# KiCad board main_VCO_board.kicad_pcb (continued)
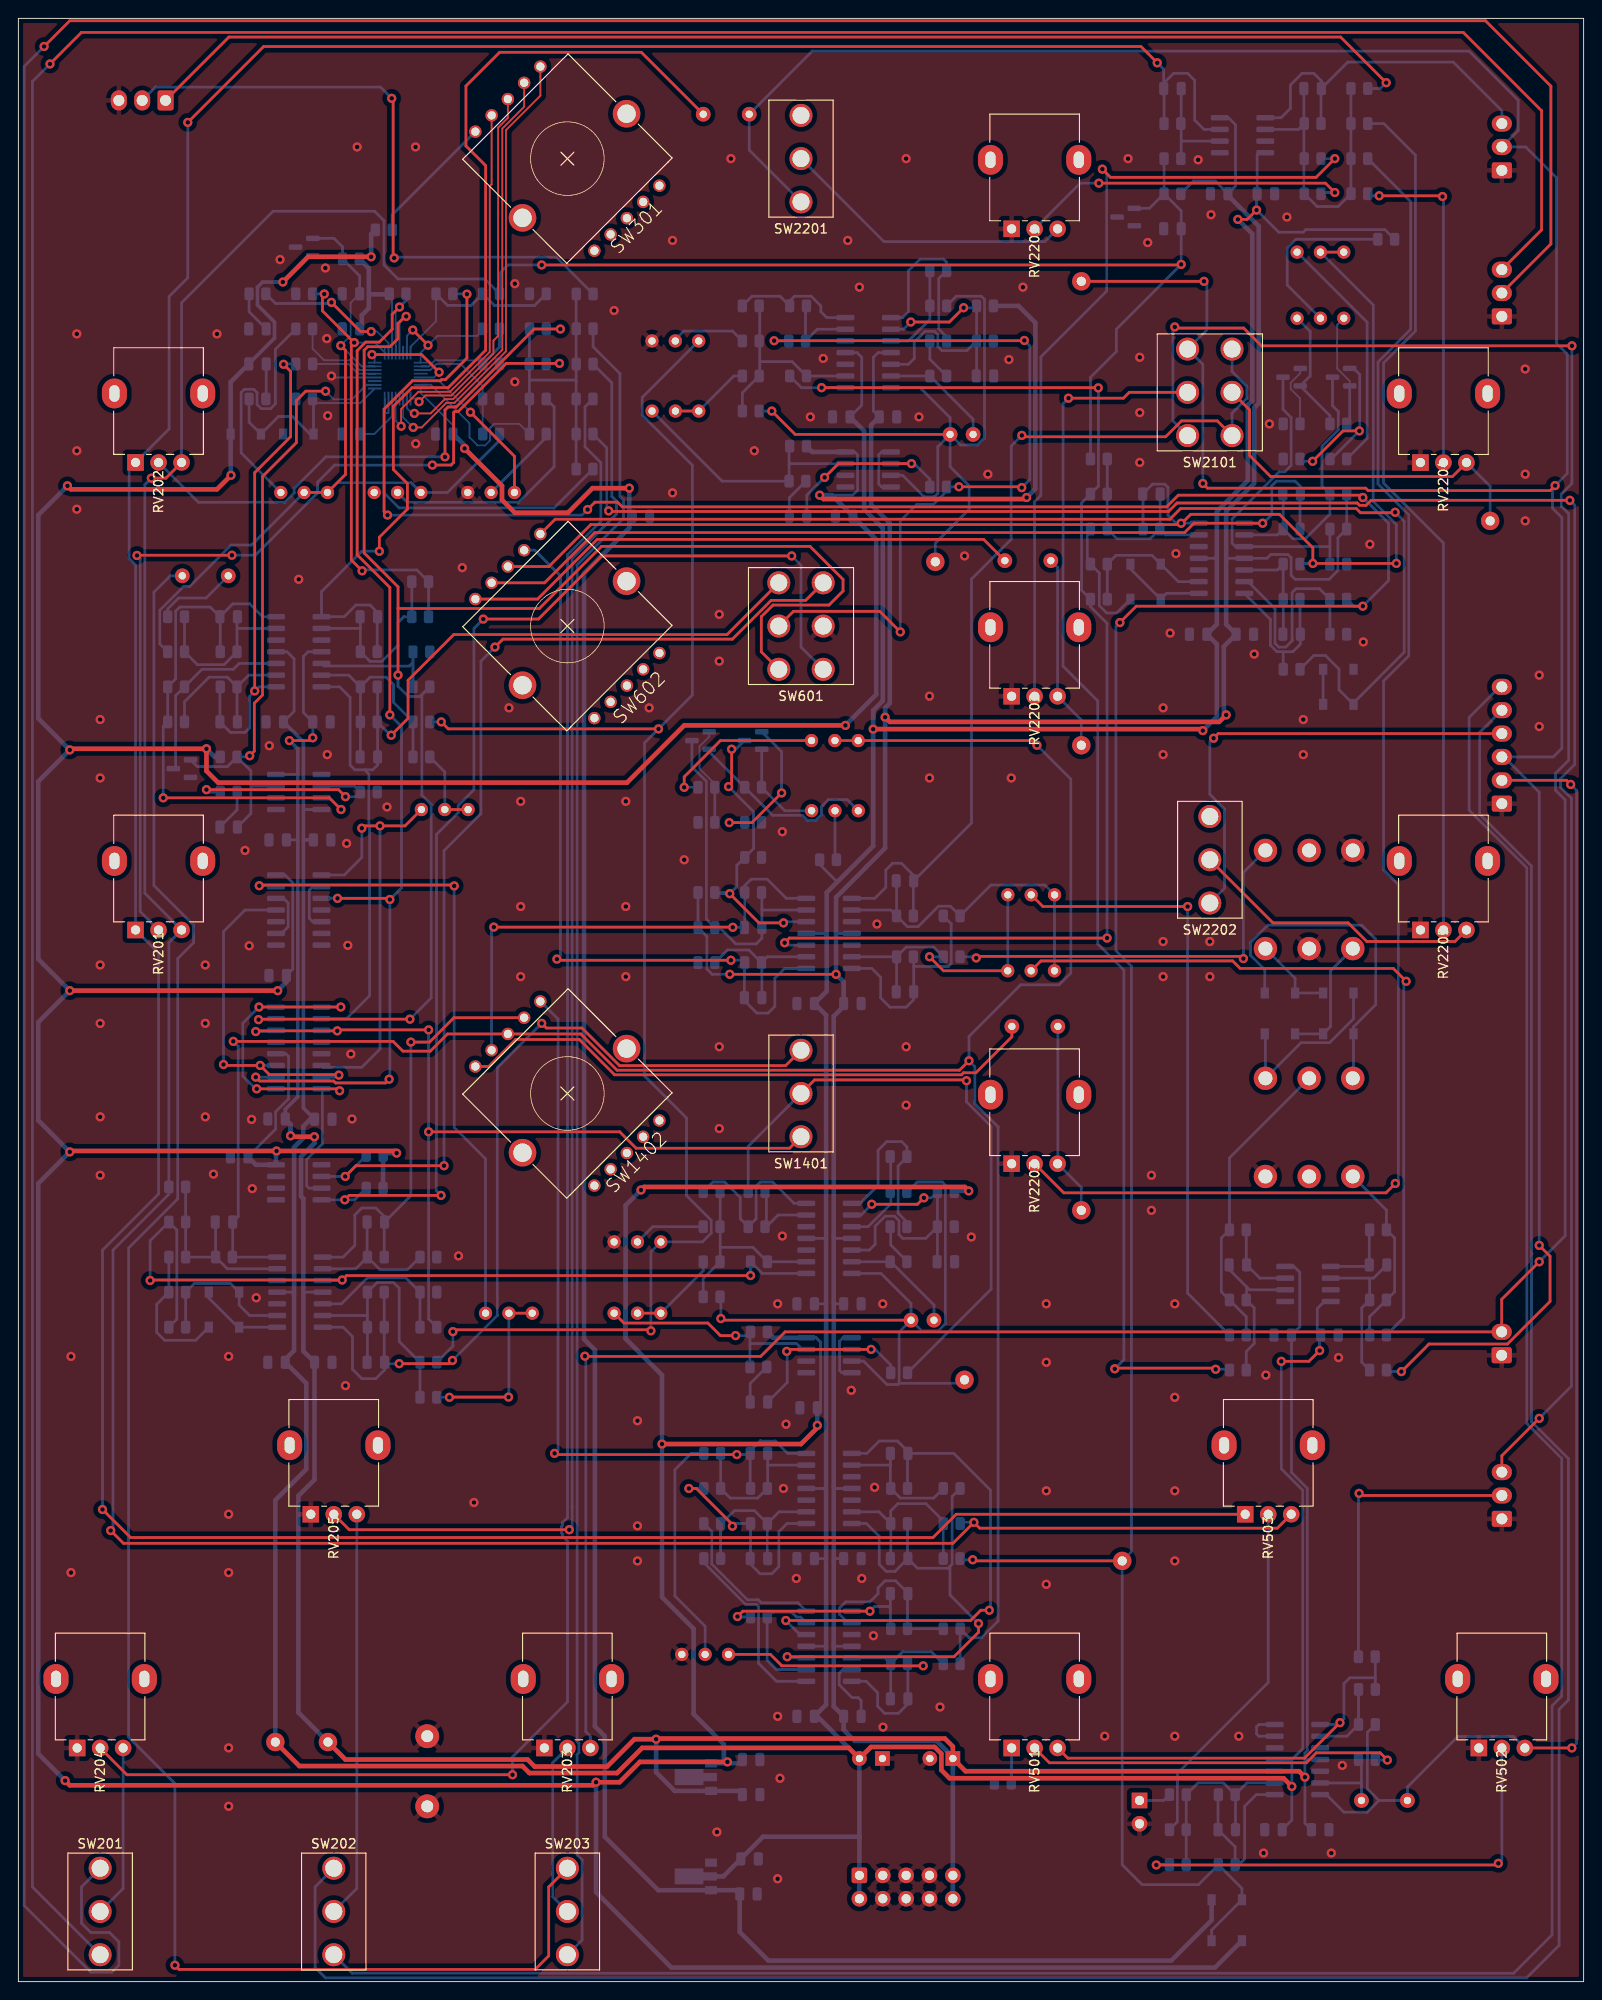
[diagram p0: board, top side]
## Routing (per net, layer and track width the routed paths; a pad name or vN(x,y) marks a point on that pad's centre or on a via; arc(x,y) is an arc through that point) (continued)
Net-(C801-Pad1): length 31.9
  Top w0.3: v1(102.77,181.91) 101.22,180.37 v1(97.03,180.37)
  Bottom w0.3: 104.14,174.5 104.18,174.54 R801.2 103.98,181.91 v1(102.77,181.91) ; U6.5 96.77,175.77 97.41,176.4 97.41,178.18 98.59,179.36 99.61,179.36 99.96,179.01 99.96,177.71 100.41,177.26 103.13,177.26 R802.1 ; U6.2 96.24,179.58 v1(97.03,180.37)
Net-(C802-Pad1): length 12.5
  Bottom w0.3: U6.6 R805.2 103.8,169.8 C802.1
Net-(C802-Pad2): length 85.1
  Top w0.3: C802.2 84.45,168.15 v1(81.91,170.69)
  Bottom w0.3: R803.2 101.97,183.17 104.69,183.17 105.04,182.82 105.04,167.76 104.28,167 102.45,167 C802.2 ; C802.2 99.96,166.81 99.96,161.73 99.61,161.38 98.46,161.38 96.14,163.7 U7.3 ; C802.2 101.3,164.64 103.38,162.56 103.38,160.02 99.69,156.34 TP801.1 ; C802.2 101.3,169.97 98.04,173.23 U6.7 ; R813.2 v1(81.91,170.69)
Net-(C803-Pad1): length 20.9
  Top w0.3: v1(97.1,164.97) 89.15,164.97 v1(87.66,163.47)
  Bottom w0.3: v1(87.66,163.47) 85.72,161.54 C803.1 ; R806.2 99.1,163.28 97.41,164.97 U7.2
Net-(C803-Pad2): length 4.6
  Bottom w0.3: C803.2 83.82,161.27 R809.1
Net-(C901-Pad1): length 15.2
  Bottom w0.3: R902.1 79.42,112.12 77.09,112.12 R901.2 ; R902.1 80.83,110.71 C901.1 ; R902.1 81.43,111.38 U14.9
Net-(C1001-Pad1): length 22.5
  Bottom w0.3: C1001.1 124.14,157.9 R1006.2 ; R1006.2 123.05,156.81 119.44,156.81 R1003.1 R1004.1 ; R1006.2 124.74,157.23 U8.13
Net-(C1101-Pad1): length 31.2
  Bottom w0.3: R1109.1 136.88,157.23 U8.2 ; R1109.1 138.57,156.81 139.92,156.81 142.6,159.49 R1103.2 141.74,162.53 141.74,166.87 143.51,168.64 143.51,170.64 142.88,171.27 Q1101.3 ; R1109.1 137.52,161.63 C1101.1
Net-(C1201-Pad1): length 12.1
  Bottom w0.3: C1201.1 137.53,146.48 137.53,150.23 R1204.1 R1201.2 136.88,153.42 U8.5
Net-(C1201-Pad2): length 17.4
  Bottom w0.3: R1204.2 139.34,146.47 C1201.2 139.38,145.35 138.56,144.53 137.56,144.53 ; U8.7 136.13,148.03 136.13,145.23 136.83,144.53 137.48,144.53 ; R1205.1 137.52,144.53
Net-(C1401-Pad1): length 64
  Top w0.3: C1401.1 108.02,102.68 104.11,98.77 102.76,98.77 102.53,98.55 64.82,98.55 60.99,102.39 54.07,102.39 51.13,99.45 SW1402.1
Net-(C1501-Pad1): length 29.5
  Bottom w0.3: 37.95,72.29 R1505.1 39,75.98 40.78,75.98 41.4,75.36 41.4,69.57 R1503.2 R1501.2 ; 37.95,72.29 37.85,72.39 U11.6 ; 37.95,72.29 37.95,67.35 C1501.1
Net-(C1601-Pad1): length 32.4
  Top w0.3: v1(98.45,85.18) 97.75,84.48 v1(92.79,84.48)
  Bottom w0.3: U12.5 92.52,79.5 93.15,80.14 93.15,82.1 94.23,83.19 95.26,83.19 95.74,82.7 95.74,81.19 96.16,80.77 98.66,80.77 R1602.1 ; v1(98.45,85.18) 99.25,85.18 R1601.2 99.93,78.27 C1601.1 ; v1(92.79,84.48) 91.62,83.31 U12.2
Net-(C1602-Pad1): length 12.5
  Bottom w0.3: U12.6 94.85,78.23 99.55,73.53 C1602.1
Net-(C1602-Pad2): length 77.9
  Top w0.3: v1(76.38,72.06) 76.56,71.88 C1602.2
  Bottom w0.3: v1(76.38,72.06) 76.38,74.33 R1613.2 ; C1602.2 98.2,70.73 100.02,70.73 100.79,71.5 100.79,86.55 100.44,86.9 97.72,86.9 96.67,85.85 ; C1602.2 97.05,73.7 93.79,76.96 U12.7 ; C1602.2 95.76,70.59 95.76,65.02 ; U13.3 91.88,67.44 94.42,64.9 95.63,64.9 95.76,65.02 ; 95.76,65.02 102.49,65.02 TP1601.1
Net-(C1603-Pad1): length 21.4
  Top w0.3: v1(83.54,68.49) 83.75,68.71 v1(92.71,68.71)
  Bottom w0.3: R1606.2 94.85,67.01 93.15,68.71 U13.2 ; C1603.1 83.59,65.12 83.59,68.44 v1(83.54,68.49)
Net-(C1603-Pad2): length 4.6
  Bottom w0.3: R1609.1 79.57,65 C1603.2
Net-(C1701-Pad1): length 16.1
  Bottom w0.3: C1701.1 37.91,78.78 R1702.1 ; R1702.1 39.32,77.37 42.29,77.37 R1701.2 ; R1702.1 36.68,77.47 U11.2
Net-(C1801-Pad1): length 21.9
  Bottom w0.3: R1806.2 21.44,82.51 C1801.1 ; R1806.2 R1803.1 R1804.1 ; R1806.2 22.71,77.47 U11.13
Net-(C1901-Pad1): length 37.3
  Bottom w0.3: Q1901.3 73.23,132.01 74.8,130.44 74.8,115.47 R1903.2 76.23,114.55 78,112.78 80.21,112.78 80.83,113.4 C1901.1 80.83,116.58 ; R1909.1 80.83,118.33 80.83,116.58 ; 80.83,116.58 80.95,116.46 U14.13
Net-(C2001-Pad1): length 15.1
  Bottom w0.3: R2003.1 94.85,30.77 C2001.1 ; R2003.1 94.21,35.18 U15.5 ; R2003.1 96.14,35.84 99.27,35.84 R2001.2
Net-(C2001-Pad2): length 36.7
  Top w0.3: v1(98.37,34.32) 83.01,34.32 81.76,35.56 RV2001.3
  Bottom w0.3: U15.7 92.18,32.64 93.42,31.39 93.42,29.92 94.18,29.16 95.68,29.16 96.71,30.19 C2001.2 96.71,34.51 R2003.2 96.9,34.32 v1(98.37,34.32)
Net-(C2002-Pad1): length 19.8
  Bottom w0.3: R2002.2 R2004.1 96.67,42.13 C2002.1 96.71,42.23 95.38,43.56 94.23,43.56 93.47,42.8 93.47,42.16 92.58,41.28 89.95,41.28 89.29,40.62 89.29,39.9 90.2,38.99 U15.2
Net-(C2002-Pad2): length 24.4
  Top w0.3: v1(78.18,39.67) 78.77,40.26 v1(92.58,40.26)
  Bottom w0.3: 94.81,40.57 94.62,40.77 93.09,40.77 v1(92.58,40.26) U15.1 ; 94.81,40.57 C2002.2 ; 94.81,40.57 94.81,38.39 R2004.2 ; v1(78.18,39.67) 78.23,39.62 R2007.1
Net-(C2003-Pad1): length 20.9
  Bottom w0.3: U16.6 93.58,51.05 R2008.1 ; C2003.1 94.85,46.01 R2008.1 ; R2008.1 94.85,51.16 95.63,51.94 98.68,51.94 100.56,50.06 R2005.2 R2006.2
Net-(C2003-Pad2): length 60.9
  Top w0.3: v1(104.39,38.91) 104.39,37.97 101.73,35.31 v1(83.59,35.31)
  Bottom w0.3: U15.10 83.72,35.18 v1(83.59,35.31) ; 101.29,45.14 101.07,44.92 97.76,44.92 C2003.2 ; 101.29,45.14 101.29,42.02 v1(104.39,38.91) ; 101.29,45.14 101.52,45.38 101.52,52.73 R2009.1 ; R2008.2 96.67,46.01 C2003.2 ; U16.7 92.2,49.78 93.6,48.39 93.6,45.34 94.36,44.58 95.31,44.58 C2003.2
Net-(C2004-Pad1): length 14.6
  Bottom w0.3: C2004.1 94.81,56.2 ; 94.81,56.2 94.81,53.63 R2010.1 95.9,52.54 99.51,52.54 R2009.2 ; 94.81,56.2 94.74,56.13 U16.2
Net-(C2004-Pad2): length 60.3
  Top w0.3: v1(83.44,39.24) 103.52,39.24 104.64,40.36 v1(105.56,40.36)
  Bottom w0.3: C2004.2 96.67,57.37 R2010.2 ; C2004.2 101.7,57.4 105.69,53.42 105.69,40.49 v1(105.56,40.36) ; C2004.2 96.71,57.62 95.58,58.75 93.6,58.75 92.25,57.4 U16.1 ; v1(83.44,39.24) 84.96,37.72 U15.12
Net-(C2005-Pad1): length 18.6
  Bottom w0.3: R2011.2 R2012.2 76.45,49.78 77.85,51.18 80.03,51.18 R2013.1 ; C2005.1 81.43,46.01 R2013.1 ; R2013.1 82.7,51.05 U16.9
Net-(C2005-Pad2): length 25.7
  Top w0.3: v1(77.63,49.49) 77.63,49.68 73.72,53.59 v1(72.9,53.59)
  Bottom w0.3: U16.8 83.57,49.78 82.68,48.9 82.68,45.09 81.91,44.32 80.64,44.32 79.57,45.4 C2005.2 79.61,46.01 R2013.2 77.92,49.78 v1(77.63,49.49) ; v1(72.9,53.59) R2015.1
Net-(C2006-Pad1): length 17.8
  Bottom w0.3: 81.47,56.07 81.47,53.63 R2016.1 80.38,52.54 77.4,52.54 R2015.2 R2014.2 ; 81.47,56.07 81.53,56.13 U16.13 ; 81.47,56.07 C2006.1
Net-(C2101-Pad1): length 17.5
  Bottom w0.3: 146.76,76.45 147.34,76.45 C2101.1 ; 146.76,76.45 U17.2 ; 146.76,76.45 146.92,76.3 R2102.1 146.05,73.22 146.05,67.32 R2101.2
Net-(C2101-Pad2): length 8.1
  Bottom w0.3: R2104.1 146.88,81.66 C2101.2 146.71,77.72 U17.1
Net-(C2102-Pad1): length 17.3
  Bottom w0.3: 133.54,75.5 131.64,77.4 C2102.1 ; 133.54,75.5 133.54,74.12 R2105.1 134.36,73.22 134.36,69.34 133.5,68.48 R2103.2 ; 133.54,75.5 133.86,75.18 U17.6
Net-(C2102-Pad2): length 8.6
  Bottom w0.3: R2106.1 133.5,77.93 C2102.2 134.97,76.45 U17.7
Net-(C2103-Pad1): length 33.5
  Top w0.3: RV2101.1 100.58,109.86 v1(99.06,111.38)
  Bottom w0.3: RV2101.1 107.57,118.1 RV2102.1 ; 95.44,107.57 95.48,107.61 R2110.1 ; R2110.1 96.53,112.43 99.51,112.43 R2108.2 v1(99.06,111.38) ; R2110.1 U14.6
Net-(C2103-Pad2): length 24.6
  Bottom w0.3: R2110.2 97.34,111.34 C2103.2 97.34,106.72 96.52,105.89 94.77,105.89 93.75,106.91 93.75,109.14 92.79,110.11 U14.7 ; R2111.1 101.42,114.96 101.42,110.64 101.11,110.33 97.39,110.33 97.34,110.37
Net-(C2104-Pad1): length 38.1
  Bottom w0.3: R2112.1 94.85,116.46 U14.2 ; R2112.1 96.65,114.66 97.83,114.66 100.05,116.87 101.34,116.87 R2111.2 105.74,119.18 111.59,119.18 RV2102.3 112.65,118.1 RV2101.3 ; R2112.1 95.48,119.6 95.44,119.63
Net-(C2104-Pad2): length 102.7
  Top w0.3: v1(109.1,168.04) 109.25,167.89 124.74,167.89 126.46,169.62 130.36,169.62 SW2101.4
  Bottom w0.3: C2104.2 103.63,125.92 103.63,152.44 107.95,156.75 107.95,166.89 v1(109.1,168.04) ; C2104.2 97.31,119.6 R2112.2 ; C2104.2 97.34,120.21 96.01,121.54 95.05,121.54 94.31,120.8 94.31,118.92 93.12,117.73 90.61,117.73 ; SW2101.6 131.95,174.98 133.55,173.38 133.55,172.06 131.95,170.46 SW2101.4
Net-(C2201-Pad1): length 33.6
  Bottom w0.3: R2207.1 139.17,201.3 U18.2 ; C2201.1 139.77,194.35 R2202.2 141.2,192.91 143.49,192.91 R2205.2 R2201.2
Net-(C2338-Pad2): length 11.9
  Bottom w0.3: 126.43,200.09 126.43,198.16 R2303.1 ; 126.43,200.09 C2338.2 ; 126.43,200.09 126.49,200.03 130.62,200.03
Net-(D301-Pad2): length 23.1
  Bottom w0.2: R302.1 32.43,171.56 37.16,171.56 U4.17
  Bottom w0.3: R301.2 25.08,169.48 26.38,168.19 28.28,170.09 29.8,170.09 31.71,168.19 D302.1 32.09,171.9 R302.1
Net-(D1001-Pad1): length 15.3
  Bottom w0.3: U8.9 126.11,152.15 123.26,155 119.34,155 R1002.2 R1001.1
Net-(D1001-Pad2): length 9.6
  Bottom w0.3: D1001.2 120.91,153.54 124.2,150.24 124.84,150.88 U8.8
Net-(D1002-Pad2): length 13.3
  Bottom w0.3: 116.22,158.01 116.22,154.23 116.43,154.02 ; R1002.1 117.53,153.09 117.53,149.54 118.33,148.74 119.41,148.74 D1002.2
Net-(D1201-Pad2): length 3.8
  Bottom w0.3: D1201.2 D1202.2
Net-(D1801-Pad1): length 16.4
  Bottom w0.3: R1801.1 R1802.2 19.13,75.88 23.05,75.88 D1801.1 24,73.53 25.15,72.39 U11.9
Net-(D1801-Pad2): length 9.4
  Bottom w0.3: U11.8 D1802.1 23.88,71.12 20.7,74.29 D1801.2
Net-(D1802-Pad2): length 15.3
  Bottom w0.3: R1803.2 R1802.1 15.04,73.61 15.04,70.56 15.9,69.7 19.28,69.7 D1802.2
Net-(D2101-Pad1): length 19.9
  Bottom w0.3: D2101.1 145.16,104.65 142.56,102.05 139.46,102.05 TR2101.4 135.59,102.92 D2103.2
Net-(D2101-Pad2): length 9.2
  Bottom w0.3: TR2102.3 138.81,109.04 D2102.1 D2101.2
Net-(D2102-Pad2): length 37.3
  Bottom w0.3: D2102.2 135.51,109.98 133.97,111.53 133.97,112.94 135.83,114.81 146.05,114.81 147.57,113.28 147.57,106.17 145.16,103.76 D2104.1 145.16,98.25 TR2101.6
Net-(D2103-Pad1): length 13.7
  Bottom w0.3: D2103.1 D2104.2 142.66,103.8 142.66,109.84 TR2102.1
Net-(J501-Pad1): length 3.5
  Bottom w0.3: J501.1 124.52,19.69 R508.1
Net-(Q401-Pad3): length 20.4
  Bottom w0.3: 28,143.26 24,143.26 23.37,142.62 19.96,142.62 R408.1 17.09,139.75 17.09,132.08 Q401.3
Net-(Q1101-Pad1): length 19.9
  Top w0.3: v1(145.8,168.53) 144.02,168.53 v1(140.72,165.23)
  Bottom w0.3: Q1101.1 145.18,175.32 145.84,174.66 145.84,168.57 v1(145.8,168.53) 142.75,165.48 R1101.2 ; R1102.1 139.6,165.23 v1(140.72,165.23)
Net-(Q1101-Pad2): length 12.5
  Bottom w0.2: 144.1,180.78 143.39,180.06 143.39,175.31 144.75,173.95 144.75,173.42
  Bottom w0.3: 144.75,173.42 144.75,169.62 R1104.1
Net-(Q1102-Pad1): length 6.9
  Bottom w0.2: R1107.1 139.34,172.07 138.33,173.08 138.33,173.76 139.37,174.79 Q1102.1
Net-(Q1102-Pad2): length 13.9
  Bottom w0.3: R1104.2 142.6,170.19 139.37,173.42 140.45,174.51 140.45,179.35 RV1102.1
Net-(Q1102-Pad3): length 36
  Bottom w0.3: Q1102.3 137.49,170.88 138.38,169.99 138.38,164.78 137.68,164.08 137.09,164.08 131.96,158.96 131.96,156.33 132.33,155.96 U8.3 142.57,155.96 142.6,155.98 ; 142.6,155.98 R1106.2 ; 142.6,155.98 R1108.2
Net-(Q1901-Pad1): length 11
  Bottom w0.2: Q1901.1 75.11,135.3 74.06,134.25 74.06,131.82 75.72,130.17 R1901.2
  Bottom w0.3: R1902.1 R1901.2
Net-(Q1901-Pad2): length 21.5
  Bottom w0.3: RV1902.3 90.13,128.45 88.06,128.45 87.31,127.7 87.31,126.81 86.69,126.18 85.8,126.18 85.23,126.75 82.01,126.75 R1904.1 75.11,133.66 Q1901.2
Net-(Q1902-Pad1): length 16.2
  Top w0.3: v1(77.29,125.96) 79.76,125.96 v1(82.98,129.18)
  Bottom w0.3: v1(82.98,129.18) 82.98,133.66 Q1902.1 ; R1907.1 78.95,125.96 v1(77.29,125.96)
Net-(Q1902-Pad2): length 10.6
  Bottom w0.3: RV1902.1 83.34,127.25 R1904.2 80.82,129.82 Q1902.2
Net-(Q1902-Pad3): length 32.8
  Top w0.3: v1(77.22,129.87) 77.55,130.2 v1(77.55,133.93) ; v1(77.34,118.24) 80.52,115.06 v1(83.19,115.06)
  Bottom w0.3: v1(77.34,118.24) 75.84,118.24 R1906.2 77.47,118.36 78.11,119 78.11,121.31 79.93,123.14 79.93,127.15 v1(77.22,129.87) ; Q1902.3 78.01,133.93 v1(77.55,133.93) ; U14.12 83.31,115.19 v1(83.19,115.06)
Net-(R303-Pad1): length 53.3
  Bottom w0.2: U4.7 44.85,173.54 49.05,169.34 49.05,167.82 49.91,166.95 50.74,166.95 51.29,167.51 51.29,168.87 51.72,169.29 54.46,169.29 R312.2
  Bottom w0.3: 55.56,174.05 R312.2 ; 55.56,174.05 60.52,174.05 60.64,173.93 ; 55.56,174.05 55.56,179.62 ; 60.64,173.93 60.64,183.43 ; 60.64,173.93 R308.1 R307.1 R303.1
Net-(R311-Pad2): length 26.8
  Bottom w0.3: 41.22,161.84 42.29,160.77 54.38,160.77 58.25,164.64 58.25,171.14 R311.2
Net-(R312-Pad1): length 8.8
  Bottom w0.3: R312.1 57.39,167.83 RV303.2
Net-(R313-Pad1): length 27.4
  Bottom w0.3: R313.1 27.94,177.4 27.94,171.47 27.42,170.95 26.4,170.95 25.94,171.4 25.94,172.7 25.59,173.05 24.57,173.05 24.22,172.7 24.22,166.14 RV302.1
Net-(R313-Pad2): length 9.9
  Bottom w0.2: U4.22 37.11,175.14 36.04,176.21 33.24,176.21 31.99,177.46 R313.2
Net-(R314-Pad1): length 16.7
  Top w0.3: v1(34.04,182.5) 37.21,179.32 v1(38.35,179.32)
  Bottom w0.2: v1(38.35,179.32) 39,179.32 40.23,178.09 U4.26
  Bottom w0.3: R314.1 27.96,182.38 33.92,182.38 v1(34.04,182.5)
Net-(R315-Pad1): length 7.2
  Bottom w0.2: R315.1 35.88,175.81 36.95,174.74 U4.21
Net-(R317-Pad2): length 14.4
  Bottom w0.3: SW301.1 40.64,192.01 R317.2
Net-(R318-Pad1): length 11.8
  Bottom w0.2: U4.2 44.62,175.54 45.29,176.21 50.08,176.21 R319.2
  Bottom w0.3: R318.1 52.31,177.63 R319.2
Net-(R318-Pad2): length 14.1
  Top w0.3: v1(44.54,177.84) v1(42.88,179.5)
  Bottom w0.2: U4.1 43.73,177.04 45.55,178.86 49.87,178.86 50.48,179.47 R318.2 ; v1(42.88,179.5) 42.23,178.85 U4.31
Net-(R320-Pad1): length 13.2
  Bottom w0.2: U4.3 44.78,175.14 45.45,175.81 48.09,175.81 50.48,173.42 R321.2 R320.1
Net-(R404-Pad2): length 23.4
  Top w0.3: v1(35.56,128.78) 34.8,129.54 v1(20.45,129.54)
  Bottom w0.3: U3.2 36.55,129.92 R404.2 36.68,128.78 v1(35.56,128.78) ; v1(20.45,129.54) 20.7,129.29 R405.2
Net-(R501-Pad1): length 8.6
  Bottom w0.3: R502.1 R501.1 144.44,26.67 141.47,26.67
Net-(R502-Pad2): length 46.7
  Top w0.3: RV501.3 114.1,24.28 139.83,24.28 v1(143.69,28.14)
  Bottom w0.3: 147.53,33.02 147.53,35.29 R504.1 ; 147.53,33.02 R502.2 ; 147.53,33.02 144.75,33.02 144.12,32.38 144.12,28.58 v1(143.69,28.14) 143.48,27.94 141.47,27.94
Net-(R503-Pad1): length 3.8
  Bottom w0.3: R503.1 107.99,21.61 RV501.1
Net-(R505-Pad1): length 41.1
  Top w0.3: RV501.2 112.1,23.78 140.03,23.78 141.12,24.87 148.06,24.87 v1(148.84,24.08)
  Bottom w0.3: R505.1 147.58,24.08 v1(148.84,24.08)
Net-(R506-Pad1): length 51.4
  Top w0.3: v1(123.72,12.67) 160.73,12.67 v1(160.91,12.85)
  Bottom w0.3: R506.1 123.75,12.7 v1(123.72,12.67) ; RV502.2 161.29,13.23 v1(160.91,12.85)
Net-(R507-Pad1): length 38.7
  Bottom w0.3: R507.1 126.01,17.37 126.01,22.63 135.89,32.51 RV503.2
Net-(R701-Pad1): length 8.9
  Top w0.3: RV701.2 RV701.3
  Bottom w0.3: R701.1 46.36,131.47 RV701.2
Net-(R702-Pad2): length 14
  Bottom w0.3: R702.2 42.9,143.36 ; 42.9,143.36 42.52,142.98 33.23,142.98 U2.5 ; 42.9,143.36 R704.1
Net-(R803-Pad1): length 10.5
  Bottom w0.3: R804.1 R803.1 99.1,180.64 96.77,178.31 U6.3
Net-(R807-Pad2): length 8.7
  Bottom w0.3: U6.13 86.85,179.58 R807.2 85.58,182.02 R808.1
Net-(R808-Pad2): length 14.1
  Bottom w0.3: R811.1 79.76,183.17 82.81,183.17 R808.2 83.86,182.65 84.38,183.17 86.19,183.17 87.25,182.12 87.25,181.48 87.88,180.85 U6.14
Net-(R809-Pad2): length 28.1
  Bottom w0.3: 83.79,164.82 R809.2 76.52,163.07 RV801.1 ; 83.79,164.82 83.95,164.97 U7.7 ; 83.79,164.82 83.79,166.81 R810.1
Net-(R811-Pad2): length 22.2
  Bottom w0.3: 80.6,176.06 84.12,176.06 R815.1 U6.9 ; 80.6,176.06 80.6,182.12 ; 80.6,176.06 80.6,174.56 R812.2 78.71,172.67 R813.1
Net-(R812-Pad1): length 8.9
  Top w0.3: RV801.2 RV801.3
  Bottom w0.3: RV801.3 77.79,174.5 R812.1
Net-(R814-Pad1): length 8.3
  Bottom w0.3: RV802.2 71.43,178.46 72.34,179.38 77.64,179.38 R814.1
Net-(R1101-Pad1): length 26.6
  Bottom w0.3: R1101.1 146.65,167.7 146.65,180.34 RV1101.1
Net-(R1105-Pad1): length 19.4
  Bottom w0.3: RV1102.2 137.96,184.39 137.96,188.4 138.91,189.36 R1105.1
Net-(R1202-Pad2): length 24.5
  Bottom w0.3: U8.6 133.7,152.15 136.63,149.21 136.63,145.44 137.03,145.03 137.79,145.03 138.53,145.77 138.48,145.82 138.48,150.94 138.93,151.38 141.45,151.38 R1202.2 R1203.1
Net-(R1501-Pad1): length 19.5
  Top w0.3: RV1501.2 RV1501.3 ; v1(46.86,63.5) 46.89,63.53 v1(53.29,63.53)
  Bottom w0.3: v1(53.29,63.53) 53.33,63.57 RV1501.2 ; v1(46.86,63.5) R1501.1
Net-(R1502-Pad2): length 16.2
  Bottom w0.3: R1502.2 R1504.1 42.12,76.48 37.94,76.48 35.12,73.66 U11.5
Net-(R1603-Pad1): length 10.4
  Bottom w0.3: 94.85,89.66 94.85,84.5 92.38,82.04 U12.3
Net-(R1607-Pad2): length 8.6
  Bottom w0.3: 81.33,85.75 81.33,82.04 82.6,83.31 U12.13
Net-(R1608-Pad2): length 20.1
  Bottom w0.3: R1611.1 75.51,86.9 76.8,86.9 78.49,85.21 78.49,82.9 R1608.2 80.21,82.9 80.21,86.45 80.67,86.9 82.01,86.9 84.33,84.58 U12.14
Net-(R1609-Pad2): length 26.3
  Top w0.3: v1(77.98,70.21) 76.33,70.21 74.96,71.57 65.84,71.57 RV1601.1
  Bottom w0.3: U13.7 85.25,68.71 84.62,69.34 79.63,69.34 79.54,69.25 ; 79.54,69.25 79.54,70.55 R1610.1 79.2,70.21 v1(77.98,70.21) ; 79.54,69.25 R1609.2
Net-(R1611-Pad2): length 22.2
  Bottom w0.3: 76.3,79.79 79.87,79.79 R1615.1 U12.9 ; 76.3,79.79 76.3,78.25 R1612.2 74.46,76.41 R1613.1 ; 76.3,79.79 76.3,85.8
Net-(R1612-Pad1): length 10
  Top w0.3: RV1601.2 RV1601.3
  Bottom w0.3: R1612.1 74.46,77.25 RV1601.3
Net-(R1614-Pad1): length 7.8
  Bottom w0.3: RV1602.2 68.96,82.04 R1614.1
Net-(R1901-Pad1): length 18.1
  Top w0.3: v1(72.39,129.79) 72.39,130.94 76.33,134.87 RV1901.1
  Bottom w0.3: R1901.1 v1(72.39,129.79)
Net-(R1905-Pad1): length 5.4
  Bottom w0.3: R1905.1 88.78,122.08 RV1902.2
Net-(R2007-Pad2): length 14.3
  Bottom w0.3: U15.13 85.04,39.61 84.63,39.61 84.11,40.13 81.94,40.13 R2007.2 81.41,39.6 81.41,34.93 82.42,33.91 85.66,33.91
Net-(R2011-Pad1): length 20.5
  Bottom w0.3: U15.8 82.42,32.64 80.47,34.59 80.47,40.77 80.24,41 79.06,41 74.53,45.53 R2011.1
Net-(R2012-Pad1): length 17.2
  Bottom w0.3: R2012.1 75.39,48.92 75.39,45.38 79.27,41.5 80.45,41.5 80.77,41.17 84.75,41.17 U15.14
Net-(R2014-Pad1): length 25.3
  Bottom w0.3: RV2001.2 74.67,38.62 71.37,41.91 71.37,55.63 73.15,57.4 R2014.1
Net-(R2102-Pad2): length 20.2
  Bottom w0.3: R2107.1 146.92,72.25 R2102.2 149.63,74.97 149.63,80.81 R2104.2 148.74,83.85 TR2101.1
Net-(R2103-Pad1): length 134.7
  Top w0.3: v1(114.17,172.09) 120.15,172.09 120.78,172.72 SW2101.2 ; v1(119.2,66.6) 119.28,66.68 130.05,66.68 v1(130.18,66.55)
  Bottom w0.3: v1(119.2,66.6) 120.19,67.59 120.19,109.93 117.35,112.78 117.35,139.19 113.58,142.96 113.58,171.49 v1(114.17,172.09) ; R2103.1 131.59,66.55 v1(130.18,66.55)
Net-(R2105-Pad2): length 33
  Bottom w0.3: R2109.1 133.5,72.25 R2105.2 130.79,74.97 130.79,80.81 R2106.2 131.68,89.51 TR2101.5
Net-(R2107-Pad2): length 81.5
  Top w0.3: RV2101.2 111.18,110.92 132.03,110.92 132.84,110.11 149.49,110.11 v1(150.89,108.71)
  Bottom w0.3: v1(150.89,108.71) 150.62,108.45 150.62,72.15 R2107.2
Net-(R2108-Pad1): length 43.8
  Top w0.3: v1(104.14,111.25) 104.31,111.42 132.95,111.42 v1(133.19,111.18)
  Bottom w0.3: R2108.1 104.01,111.38 v1(104.14,111.25) ; TR2102.4 133.19,120.54 v1(133.19,111.18)
Net-(R2109-Pad2): length 66
  Top w0.3: v1(127.13,116.84) 111.39,116.84 RV2102.2
  Bottom w0.3: R2109.2 127.13,74.82 v1(127.13,116.84)
Net-(R2202-Pad1): length 36.7
  Top w0.3: v1(117.47,195.45) 142.11,195.45 v1(143.13,194.44)
  Bottom w0.3: v1(117.47,195.45) 115.45,195.45 RV2201.2 ; R2202.1 141.76,194.44 v1(143.13,194.44)
Net-(R2203-Pad1): length 88.7
  Top w0.3: v1(143.13,198.12) 141.1,196.09 118.75,196.09 v1(117.86,196.98)
  Bottom w0.3: R2203.1 v1(143.13,198.12) ; RV2202.2 110.49,160.84 111.17,161.52 111.17,176.57 118.32,183.73 118.32,196.51 v1(117.86,196.98)
Net-(R2204-Pad1): length 159.1
  Top w0.3: v1(149.71,86.74) 148.69,85.73 113.66,85.73 RV2203.2
  Bottom w0.3: v1(149.71,86.74) 150.04,87.07 150.04,119.21 148.43,120.82 148.43,141.34 151.17,144.08 151.17,159.41 147.83,162.75 147.83,176.02 151.38,179.58 151.38,193.44 R2204.1
Net-(R2205-Pad1): length 37.2
  Top w0.3: v1(154.84,194.01) 154.76,194.08 v1(147.95,194.08)
  Bottom w0.3: RV2204.2 154.94,193.9 v1(154.84,194.01) ; R2205.1 146.94,194.08 v1(147.95,194.08)
Net-(R2206-Pad1): length 94.9
  Bottom w0.3: RV2205.2 154.94,156.34 148.43,162.85 148.43,175.92 151.89,179.38 151.89,198.5 148.46,201.93 R2206.1
Net-(RV203-Pad2): length 19.1
  Bottom w0.3: RV203.2 58.09,23.79 58.09,9.22 SW203.2
Net-(RV204-Pad3): length 18.8
  Bottom w0.3: SW201.2 11.39,10.12 RV204.3
Net-(RV205-Pad3): length 44.2
  Bottom w0.3: SW202.2 36.79,10.12 RV205.3
Net-(RV303-Pad3): length 17.5
  Top w0.3: RV303.3 53.94,165.78 v1(49.15,170.56)
  Bottom w0.2: U4.6 45.77,173.94 v1(49.15,170.56)
Net-(RV2201-Pad3): length 32.2
  Bottom w0.3: RV2201.3 111.6,189.1 94.11,189.1 SW2201.2
Net-(RV2205-Pad3): length 32.1
  Top w0.3: SW2202.2 136.4,115.06 144.58,115.06 146.6,113.04 156.19,113.04 RV2205.3
Net-(SW301-Pad2): length 43.1
  Top w0.2: v1(41.62,169.04) 41.62,170.9 43.49,172.78 46.92,172.78 51.25,177.11 51.25,195.13 51.45,195.33 SW301.2
  Bottom w0.2: U4.13 41.03,169.62 v1(41.62,169.04)
Net-(SW301-Pad3): length 39.6
  Top w0.2: v1(43.56,171.7) 44.24,172.38 47.09,172.38 51.65,176.94 51.65,178.34 52.16,178.85 52.16,201.5 53.22,202.56 SW301.3
  Bottom w0.2: U4.9 43.23,172.04 v1(43.56,171.7)
Net-(SW301-Pad4): length 44.5
  Top w0.2: SW301.4 54.99,203.76 52.61,201.39 52.61,177.34 47.25,171.98 46.36,171.98 44.82,170.43 v1(43.05,170.43)
  Bottom w0.2: U4.10 42.23,170.99 42.79,170.43 v1(43.05,170.43)
Net-(SW301-Pad5): length 49.6
  Top w0.2: SW301.5 56.76,204.96 53.01,201.22 53.01,177.17 47.42,171.58 46.53,171.58 43.86,168.91 v1(42.93,168.91)
  Bottom w0.2: v1(42.93,168.91) 41.83,170 U4.11
Net-(U1-Pad14): length 4.9
  Bottom w0.3: U1.14 134.87,27.94 134.62,27.69 134.62,26.92 134.87,26.67 U1.13
Net-(U4-Pad24): length 11.3
  Top w0.3: v1(38.44,176.82) 43.83,176.82 v1(45.74,174.91)
  Bottom w0.2: v1(38.44,176.82) 38.73,176.53 U4.24 ; v1(45.74,174.91) 45.17,174.34 U4.5
Net-(U5-Pad2): length 6
  Bottom w0.3: U5.5 32,115.19 31.63,115.56 31.63,118.63 32,119 U5.2
Net-(U5-Pad12): length 5.7
  Bottom w0.3: 28,113.92 28.62,113.92 29.33,114.63 29.33,117.23 28.83,117.73 28,117.73

## Copper pours and planes (outline as drawn; the poured copper is in the pictures)
GND on Top: 172.72,-2.54 -2.54,-2.54 -2.54,215.9 172.72,215.9
GND on Bottom: 175.26,-5.08 -5.08,-5.08 -5.08,218.44 175.26,218.44
